# KiCad board st251_21020.kicad_pcb (continued)
## Footprints (pads in the part's own frame, mm; a bottom-side part is the same pattern mirrored in y, then rotated) (continued)
SOT95P230X117-3
  rect 0.9x0.8 smd: 1(-1,0.95) 2(-1,-0.95) 3(1,0)
SOT-23
  rrect 1.475x0.6 smd: 1(-0.938,0.95) 2(-0.938,-0.95) 3(0.938,0)
SOT-323_SC-70
  rect 0.7x0.45 smd: 1(-1,0.65) 2(-1,-0.65) 3(1,0)
TestPoint_THTPad_1.0x1.0mm_Drill0.5mm
  rect 1x1 hole 0.5: 1(0,0)
TestPoint_THTPad_2.0x2.0mm_Drill1.0mm
  rect 2x2 hole 1: 1(0,0)
TO-252-2
  rrect 2.2x1.2 smd: 1(-5.04,2.28) 3(-5.04,-2.28)
  rrect 3.05x2.75 smd: 2(-0.415,1.525) 2(-0.415,-1.525) 2(2.935,1.525) 2(2.935,-1.525)
  rrect 6.4x5.8 smd: 2(1.26,0)

## Nets
+5V: 1D1.14 1E1.14 1F1.14 2B1.30 2D1.16 2E1.14 2F1.14 3A1.24 3A1.42 4A1.24 4H1.5 6A1.29 6B1.20 6C1.20 7F1.11 10F1.20 10H1.20 11F1.20 C25.1 C26.1 C30.1 C32.1 C34.1 C38.2 C40.1 C45.1 C49.1 C50.1 C52.1 C53.1 C55.1 C57.1 C58.1 C65.1 C68.1 C70.1 C71.1 C72.1 CR1.2 CR2.1 DS1.2 J4.3 JP11.1 L1.2 L11.2 R5.2 R7.2 R10.2 R12.2 R13.2 R19.2 R34.2 R35.1 R42.2 R44.1 R46.1 R58.2 R59.2 R64.2 R70.2 R71.2 R73.2 R82.1 RN1.10
+5VP: 7C1.13 7C1.20 7E1.28 C28.1 C62.1 C74.1 CR4.3 R54.1
+12V: 7F1.12 8F1.6 C54.1 C64.1 C66.1 C73.1 CR5.2 D1.1 L2.2 Langle1.2 Q1.2 Q2.2 R61.1
+12VA: 6A1.44 10E1.10 C2.1 C15.1 C16.1 C29.1 Langle1.1 R1B1.1
GND: 1D1.7 1E1.7 1F1.7 2B1.13 2B1.27 2D1.8 2E1.7 2F1.7 2F1.12 3A1.44 4A1.12 4A1.18 4H1.0 4H1.2 4H1.7 4H1.14 6A1.5 6A1.28 6A1.30 6B1.1 6B1.10 6C1.10 7C1.10 7C1.19 7E1.1 7E1.17 7F1.13 8F1.13 10E1.11 10F1.4 10F1.5 10F1.6 10F1.7 10F1.14 10F1.15 10F1.16 10F1.17 10H1.1 10H1.4 10H1.5 10H1.6 10H1.7 10H1.14 10H1.15 10H1.16 10H1.17 11E1.11 11F1.4 11F1.5 11F1.6 11F1.7 11F1.14 11F1.15 11F1.16 11F1.17 C1.2 C2.2 C3.1 C4.2 C5.2 C6.2 C8.2 C9.2 C15.2 C16.2 C18.2 C19.2 C27.2 C28.2 C29.2 C30.2 C31.1 C32.2 C33.2 C40.2 C42.2 C43.2 C44.2 C45.2 C46.2 C47.2 C48.2 C49.2 C50.2 C51.2 C52.2 C53.2 C54.2 C55.2 C56.2 C57.2 C58.2 C60.1 C61.2 C62.2 C64.2 C65.2 C66.2 C68.2 C70.2 C71.2 C72.2 C73.2 C74.2 CR4.1 CR7.2 CR8.2 J1.1 J1.3 J1.5 J1.7 J1.9 J1.11 J1.13 J1.15 J1.17 J1.19 J1.21 J1.23 J1.25 J1.27 J1.29 J1.31 J1.33 J2.2 J2.4 J2.6 J2.8 J2.11 J2.12 J2.15 J2.16 J2.19 J2.20 J3.2 J3.3 J4.2 J6.3 J6.7 J6.11 J6.15 J6.19 J6.23 J7.9 J7.15 Q3.2 Q4.2 Q5.2 R3.2 R6.1 R26.1 R27.2 R32.2 R33.2 R33B1.1 R43.1 R45.1 R47.1 R48.1 R49.1 R50.1 R51.2 R53.2 R55.2 R57.1 R60.1 R72.1 R75.1 RN1.1 TP2.1
/Analog/+RD: 6A1.25 J2.17
/Analog/-RD: 6A1.26 J2.18
/Analog/COILU: 4H1.13 C39.1 C46.1 J4.8 Q5.3 Q5.4
/Analog/COILV: 4H1.12 C48.1 C69.1 J4.7 Q3.3 Q3.4
/Analog/COILW: 4H1.11 7F1.6 C47.1 C59.1 J4.5 Q4.3 Q4.4
/Analog/DRV_SEL: 1E1.8 2E1.13 J7.12 R13.1
/Analog/DS1: J1.26 J7.2
/Analog/DS2: J1.28 J7.4
/Analog/DS3: J1.30 J7.6
/Analog/DS4: J1.32 J7.8
/Analog/HDC1: 10E1.9 J6.1
/Analog/HDC2: 10E1.8 J6.5
/Analog/HDC3: 10E1.7 J6.9
/Analog/HDC4: 10E1.6 J6.13
/Analog/HDC5: 10E1.5 J6.17
/Analog/HDC6: 10E1.4 J6.21
/Analog/HDSEL1: 10E1.17 J1.14 RN1.7
/Analog/HDSEL2: 10E1.16 J1.18 RN1.4
/Analog/HDSEL4: J1.4 JP10.2 RN1.5
/Analog/HDSEL4B: 10E1.15 JP10.1 JP11.2
/Analog/HDSEL8: J1.2 RN1.9
/Analog/INDEX2: 2F1.3 4H1.9 C19.1 R46.2
/Analog/M_ENA: 7E1.26 11F1.11
/Analog/M_ENB: 7E1.24 10H1.11
/Analog/M_ENC: 7E1.22 10F1.1
/Analog/M_END: 7E1.20 11F1.1
/Analog/M_ENE: 7E1.18 10F1.11
/Analog/MOTA+: 7F1.15 11F1.13 R14.2 R67.1
/Analog/MOTA-: 7F1.14 11F1.18 CR8.1 J5.10 R15.2
/Analog/MOTB+: 10H1.13 R16.2 R81.1
/Analog/MOTB-: 10H1.18 J5.2 R17.2
/Analog/MOTC+: 10F1.3 R18.2 R67B1.1
/Analog/MOTC-: 10F1.8 J5.4 R20.2
/Analog/MOTD+: 7F1.3 11F1.3 R36.2 R68.1
/Analog/MOTD-: 7F1.2 11F1.8 J5.6 R37.2
/Analog/MOTE+: 7F1.1 10F1.13 R38.2 R68B1.1
/Analog/MOTE-: 7F1.16 10F1.18 J5.8 R39.2
/Analog/REC_MODE: J1.16 J2.7 J7.14 RN1.6
/Analog/RREF: 4H1.1 Q6.3 R50.2
/Analog/UHALL+: 4H1.15 C36.2 J4.1
/Analog/UHALL-: 4H1.16 C36.1 J4.13
/Analog/VHALL+: 4H1.19 C37.1 J4.10
/Analog/VHALL-: 4H1.20 C37.2 J4.12
/Analog/WHALL+: 4H1.17 C35.1 J4.9
/Analog/WHALL-: 4H1.18 C35.2 J4.11
/Analog/WRT_FAULT: 2E1.1 2E1.6 JP1.1
/Analog/~{WRT_GATE}: 6A1.37 C4.1 J1.6 RN1.8
/Digital/0101: 1D1.6 7C1.15
/Digital/A0: 2D1.1 3A1.5 4A1.8
/Digital/A1: 2D1.2 3A1.6 4A1.7
/Digital/A2: 2D1.3 3A1.7 4A1.6
/Digital/A3: 3A1.8 4A1.5
/Digital/A4: 4A1.4 6B1.19
/Digital/A5: 4A1.3 6B1.15
/Digital/A6: 4A1.2 6B1.16
/Digital/A7: 4A1.1 6B1.12
/Digital/A8: 4A1.23 6B1.2
/Digital/A9: 4A1.22 6B1.9
/Digital/A10: 4A1.19 6B1.6
/Digital/A11: 4A1.21 6B1.5
/Digital/D0: 3A1.20 4A1.9 6B1.18 6C1.18
/Digital/D1: 3A1.19 4A1.10 6B1.14 6C1.14
/Digital/D2: 3A1.18 4A1.11 6B1.17 6C1.17
/Digital/D3: 3A1.17 4A1.13 6B1.13 6C1.13
/Digital/D4: 3A1.16 4A1.14 6B1.3 6C1.3
/Digital/D5: 3A1.15 4A1.15 6B1.8 6C1.8
/Digital/D6: 3A1.14 4A1.16 6B1.7 6C1.7
/Digital/D7: 3A1.13 4A1.17 6B1.4 6C1.4
/Digital/DEBUG_PIN: 3A1.26 R33.1
/Digital/DIRECTION: 6C1.15 7C1.17
/Digital/EMS: 1D1.2 2E1.11
/Digital/MCU_INDEX: 2B1.42 3A1.33
/Digital/PA2: 2B1.39 3A1.31
/Digital/PHI2: 1D1.3 2D1.6 2E1.9 3A1.4 R80.2
/Digital/R/~{W}: 2D1.5 2E1.10 3A1.10
/Digital/~{0100}: 2D1.15 6C1.11
/Digital/~{0101}: 1D1.5 2D1.14
/Digital/~{0105}: 2D1.10 7C1.14
/Digital/~{0107}: 2B1.43 2D1.7
/Digital/~{EMS}: 1D1.1 2D1.4 3A1.12 6B1.11
/Digital/~{HALFSTEP}: 6C1.16 7C1.16
/Digital/~{LATCHED_DIR}: 2B1.41 3A1.40
/Digital/~{MCU_READY_OUT}: 2B1.6 3A1.32
/Digital/~{MCU_TRK0_OUT}: 2B1.5 3A1.41
/Digital/~{MCUSTEP}: 2B1.38 3A1.28
/Digital/~{RECOVERY_MODE}: 1D1.8 3A1.39
ALL_PHASES_ON: 6C1.5 7E1.15
CS_: 6C1.2 8F1.4
DC_UNSAFE: 2B1.31 6A1.40 JP2.1
DRVSEL_OUT: 2B1.9 J2.1
HALL: 2B1.34 2F1.2 2F1.6
INDEX_OUT: 2B1.12 J1.20
LIFE_TEST: 3A1.38 J7.10
MTA+: 7C1.1 7E1.5 11F1.12
MTA-: 7C1.2 7E1.6 11F1.19
MTB+: 7C1.4 7E1.7 10H1.12
MTB-: 7C1.5 7E1.8 10H1.19
MTC+: 7C1.6 7E1.9 10F1.2
MTC-: 7C1.7 7E1.10 10F1.9
MTD+: 7C1.8 7E1.11 11F1.2
MTD-: 7C1.9 7E1.12 11F1.9
MTE+: 7C1.11 7E1.13 10F1.12
MTE-: 7C1.12 7E1.14 10F1.19
READ_DATA: 2B1.36 6A1.24 R35.2
READY_OUT: 2B1.7 J1.22
RECOVERY_MODE: 1D1.9 J7.13
RING: 3A1.30 8F1.24
RIWR1: 6C1.9 10E1.2
RIWR2: 6C1.6 10E1.13
S1: 3A1.37 7E1.2
S2: 3A1.36 7E1.3
S3: 3A1.35 7E1.4
SEEK_COMP: 2B1.11 J1.8
SERIAL_CLOCK: 3A1.29 8F1.3
SERIAL_DATA: 3A1.27 8F1.2
SYS_CLOCK: 1D1.4 2B1.37 4H1.6 8F1.1
TRK0_OUT: 2B1.8 J1.10
VAA: 10F1.10 10H1.10 11F1.10 C42.1 C56.1 C61.1 C63.1 CR1.1 CR7.1 Q2.3 R52.1 R62.2 R63.1
WRT_OK: 2B1.44 6A1.15
WRTFLT_OUT: 2B1.10 J1.12
~{0106}: 1F1.3 2D1.9
~{DIR}: 2B1.32 J1.34 RN1.2
~{DRV_SEL}: 1E1.9 1E1.10 2B1.4 6A1.21 J7.16 R10.1
~{INDEX_SYNC}: 2B1.40 2F1.4 4H1.8 6C1.19
~{RESET}: 1F1.1 2B1.35 3A1.21 6C1.1 JP4.1 R40.1
~{RETRACT}: 7C1.3 7F1.9
~{STEP}: 2B1.33 J1.24 RN1.3
~{WRT_FAULT}: 1E1.4 2B1.3 R19.1
Net-(1D1-Pad12): 1D1.12 1E1.5 1E1.11
Net-(1E1-Pad1): 1E1.1 1E1.12 R59.1
Net-(1E1-Pad6): 1E1.6 R78.2
Net-(1F1A-D): 1F1.2 1F1.6 R74.2
Net-(1F1A-~{S}): 1F1.4 R73.1
Net-(1F1B-C): 1F1.11 J7.11 R70.1
Net-(1F1B-D): 1F1.12 R71.1
Net-(1F1B-~{Q}): 1F1.8 JP1.3
Net-(1F1B-~{R}): 1F1.13 2E1.12
Net-(1F1B-~{S}): 1E1.2 1F1.10 R58.1
Net-(2B1-BIAS): 2B1.2 R45.2
Net-(2E1-Pad2): 2E1.2 2E1.3 R12.1
Net-(2E1-Pad5): 2E1.5 C5.1 R8.1
Net-(2F1A-~{R}): 2F1.1 R42.1
Net-(3A1-PB7): 3A1.34 TP4.1
Net-(3A1-XTLI): 3A1.3 Y2.1
Net-(3A1-XTLO): 3A1.2 C31.2 R80.1 R82.2 Y2.2
Net-(3A1-~{NMI}): 3A1.25 R44.2
Net-(4A1-~{G}VPP): 2E1.8 4A1.20
Net-(4H1-12V): 4H1.4 4H1.10 7F1.5 C33.1 C44.1 CR5.1 CR6.2 R54.2
Net-(4H1-RC): 4H1.3 C17.1 C18.1
Net-(6A1A-VCTAP): 6A1.43 R9.1
Net-(6A1A-WDATA_IN+): 6A1.22 J2.13 R4.2
Net-(6A1A-WDATA_IN-): 6A1.23 J2.14 R4.1
Net-(6A1A-WRITE_CUR): 6A1.16 TP8.2
Net-(6A1A-~{WRT_FAULT}): 6A1.39 R8.2
Net-(6A1B-+ON): 6A1.4 R25.1
Net-(6A1B--ON): 6A1.3 L8.1
Net-(6A1B-DI+): 6A1.1 C14.1 L6.2 R24.1 TP1.1
Net-(6A1B-DI-): 6A1.2 C14.2 L7.2 R24.2 TP3.1
Net-(6A1B-DO+): 6A1.8 C21.1 C22.1 R26.2
Net-(6A1B-DO-): 6A1.9 C24.1 R27.1 R28.2
Net-(6A1C-+C1): 6A1.10 C22.2 C23.1 R30.1 R87.1
Net-(6A1C-+C2): 6A1.12 C67.1 L10.1 R87.2
Net-(6A1C--C1): 6A1.11 C23.2 R29.1
Net-(6A1C--C2): 6A1.13 R30.2 R31.1
Net-(6A1C-OA): 6A1.31 R34.1
Net-(6A1C-TMG1): 6A1.35 C34.2 R51.1
Net-(6A1C-TMG2): 6A1.34 C38.1 R53.1
Net-(6A1C-TMG3): 6A1.33 C25.2 R32.1
Net-(6A1C-TMG4): 6A1.32 C26.2 R33B1.2
Net-(6C1-Q4): 6C1.12 7C1.18
Net-(7E1-~{DIS}): 7E1.16 R40.2
Net-(7F1-CT): 7F1.8 C43.1
Net-(7F1-DRV): 7F1.7 R66.1
Net-(7F1-VC): 7F1.4 CR6.1
Net-(7F1-VREF): 7F1.10 R41.2
Net-(8F1-+A): 8F1.18 R14.1
Net-(8F1-+B): 8F1.17 R16.1
Net-(8F1-+C): 8F1.16 R18.1
Net-(8F1-+D): 8F1.15 R36.1
Net-(8F1-+E): 8F1.14 R38.1
Net-(8F1--A): 8F1.23 R15.1
Net-(8F1--B): 8F1.22 R17.1
Net-(8F1--C): 8F1.21 R20.1
Net-(8F1--D): 8F1.20 R37.1
Net-(8F1--E): 8F1.19 R39.1
Net-(8F1-COMP): 8F1.10 C41.1
Net-(8F1-DAC_SET): 8F1.8 R57.2
Net-(8F1-DRV): 8F1.9 R79.2
Net-(8F1-FB): 8F1.11 R52.2 R60.2
Net-(8F1-NC): 8F1.5 JP4.2
Net-(8F1-RING_SET): 8F1.12 C60.2 R55.1 R56.1
Net-(8F1-VREF): 8F1.7 R41.1 R56.2
Net-(10E1-5V): 10E1.18 C1.1 L11.1
Net-(10E1-IWR1): 10E1.19 R2.1
Net-(10E1-IWR2): 10E1.14 R1.1
Net-(10E1-VCTAP): 10E1.1 C3.2 R9.2
Net-(10E1-VHS): 6A1.42 10E1.20
Net-(10E1-WRT_FAULT_IN): 1E1.3 10E1.12 JP1.2
Net-(11E1-12V): 11E1.12 C8.1 C9.1 R1B1.2
Net-(11E1-DI+): 6A1.19 11E1.8 C10.1 R21.1 TP6.1
Net-(11E1-DI-): 6A1.20 11E1.7 C10.2 R21.2 TP5.1
Net-(11E1-DO+): 11E1.10 C11.1
Net-(11E1-DO-): 11E1.9 C12.1
Net-(11E1-GAIN+): 11E1.6 C7.1
Net-(11E1-GAIN-): 11E1.5 C7.2
Net-(11E1-HD1+): 11E1.14 J6.4
Net-(11E1-HD1-): 11E1.13 J6.2
Net-(11E1-HD2+): 11E1.16 J6.8
Net-(11E1-HD2-): 11E1.15 J6.6
Net-(11E1-HD3+): 11E1.18 J6.12
Net-(11E1-HD3-): 11E1.17 J6.10
Net-(11E1-HD4+): 11E1.20 J6.16
Net-(11E1-HD4-): 11E1.19 J6.14
Net-(11E1-HD6+): 11E1.1 J6.24
Net-(11E1-HD6-): 11E1.2 J6.22
Net-(C6-Pad1): C6.1 R11.2 R78.1
Net-(C11-Pad2): C11.2 R22.2
Net-(C12-Pad2): C12.2 R23.2
Net-(C13-Pad1): C13.1 L4.2 L6.1
Net-(C13-Pad2): C13.2 L5.2 L7.1
Net-(C17-Pad2): C17.2 R49.2
Net-(C20-Pad1): C20.1 R25.2
Net-(C20-Pad2): C20.2 L8.2
Net-(C21-Pad2): C21.2 R28.1
Net-(C24-Pad2): C24.2 C67.2 L9.2 L10.2 R31.2
Net-(C27-Pad1): C27.1 R65.2 R69.1
Net-(C39-Pad2): C39.2 R43.2
Net-(C41-Pad2): C41.2 R63.2
Net-(C59-Pad2): C59.2 R47.2
Net-(C63-Pad2): C63.2 R72.2
Net-(C69-Pad2): C69.2 R48.2
Net-(CR2-A): 1E1.13 C51.1 CR2.2 R64.1
Net-(D1-K): D1.3 R69.2
Net-(DS1-K): DS1.1 R11.1
Net-(J3-Pin_1): J3.1 L2.1
Net-(J3-Pin_4): J3.4 L1.1
Net-(J5-Pin_1): J5.1 R68.2
Net-(J5-Pin_3): J5.3 R68B1.2
Net-(J5-Pin_5): J5.5 R67.2
Net-(J5-Pin_7): J5.7 R81.2
Net-(J5-Pin_9): J5.9 R67B1.2
Net-(J6-Pin_18): 11E1.4 J6.18
Net-(J6-Pin_20): 11E1.3 J6.20
Net-(J7-Pin_1): 1D1.13 J7.1 J7.3 J7.5 J7.7 R6.2 R7.1
Net-(JP2-B): 2E1.4 JP2.2 R5.1
Net-(L4-Pad1): L4.1 R22.1
Net-(L5-Pad1): L5.1 R23.1
Net-(L9-Pad1): L9.1 R29.2
Net-(Q1-B): Q1.1 R61.2 R79.1
Net-(Q1-C): Q1.3 Q2.1 R62.1
Net-(Q3-G): Q3.1 Q4.1 Q5.1 R65.1 R66.2
Net-(Q6-B): Q6.1 R74.1
Net-(Q6-E): Q6.2 R75.2
Net-(TP8-A): R1.2 R2.2 R3.1 TP8.1

Pads without a net: 1D1 10 11; 1F1 5 9; 2B1 1 14 15 16 17 18 19 20 21 22 23 24 25 26 28 29; 2D1 11 12 13; 2F1 5 8 9 10 11 13; 3A1 1 9 11 22 23 43; 4H1 21; 6A1 6 7 14 17 18 27 36 38 41; 7E1 19 21 23 25 27; 10E1 3; 10H1 2 3 8 9; CR4 2; D1 2; J2 3 5 9 10; J4 4 6 14

## Via types
v1: diameter 0.889, hole 0.381, Top to Bottom, 600 vias
v2: diameter 1.27, hole 0.508, Top to Bottom, 1 via

## Routing (per net, layer and track width the routed paths; a pad name or vN(x,y) marks a point on that pad's centre or on a via; arc(x,y) is an arc through that point)
+5V: length 896.6
  Top w0.508: C57.1 107.89,191.33 107.57,191.01 106.43,191.01 v1(106.17,190.75) 105.54,190.12 105.54,186.94 107.06,185.42 11F1.20 ; R46.1 100.01,36.38 v1(101.85,34.54) ; v1(24.89,112.9) 24.89,111.12 22.35,108.59 v1(18.16,108.59) 17.78,108.2 9.52,108.2 8.48,109.25 C30.1 8.51,110.52 8.51,112.52 ; CR2.1 80.26,27.81 80.14,27.69 2E1.14 ; 110.87,175.01 110.87,174.37 109.47,172.97 105.41,172.97 104.22,171.78 C55.1 104.22,170.47 101.77,168.02 10F1.20 ; 110.87,175.01 116.97,175.01 118.62,173.36 126.49,173.36 127.25,172.59 127.25,171.45 125.73,169.93 ; 110.87,175.01 110.87,183.26 113.16,185.55 DS1.2 ; 3A1.42 24.51,46.99 23.24,48.26 22.23,48.26 20.95,46.99 14.6,46.99 12.06,49.53 3A1.24 7.37,49.53 v1(7.37,49.53) ; 125.73,169.93 120.4,169.93 119.13,171.2 10H1.20 ; 125.73,169.93 125.73,166.44 C58.1 125.79,166.5 v1(127.38,166.5) ; 6A1.29 8.51,112.52 ; 8.51,112.52 8,112.52 v1(7.49,112.01) ; 49.47,104.08 49.15,103.76 46.81,103.76 6B1.20 46.55,101.8 ; 108.08,96.27 107.7,96.65 107.7,108.33 111.51,112.14 v1(111.89,112.14) v1(111.89,113.41) 111.89,114.94 107.95,118.87 97.16,118.87 96.65,119.38 94.49,119.38 v1(93.47,120.4) ; R42.2 103.76,28.64 103.76,24.83 R73.2 ; v1(66.17,25.53) 2D1.16 ; v1(133.35,125.86) 130.17,125.86 129.86,125.54 CR1.2 ; v1(32.38,37.47) 31.75,37.47 30.86,38.35 2B1.30 27.56,38.35 27.05,37.85 27.05,37.21 ; 99.82,16.89 99.82,14.22 ; 110.49,92.46 4H1.5 ; 1E1.14 78.23,15.11 79.63,13.72 v1(79.63,13.08) 78.74,13.97 74.93,13.97 73.91,12.95 70.61,12.95 67.82,15.75 v1(67.82,16.13) 67.06,16.89 1D1.14 ; 7F1.11 v1(90.55,127.38)
  Top w0.762: 99.82,27.69 101.35,27.69 v1(101.47,27.56) 101.47,28.7 101.53,28.76 R42.2 ; v1(17.91,101.35) 19.3,99.95 v1(19.3,94.87) ; v1(127,36.45) v1(128.52,37.97)
  Top w1.016: 45.72,100.97 43.82,100.97 40.64,97.79 27.94,97.79 25.65,95.5 ; 45.72,100.97 v1(46.48,101.73) ; 45.72,100.97 46.35,100.97 49.91,104.52 v1(51.56,104.52) ; v1(46.48,101.73) 46.55,101.8 ; v1(46.48,101.73) v1(46.48,100.33) ; 121.28,24.64 v1(122.17,24.64) 121.41,24.26 ; 121.28,24.64 121.41,24.77 121.41,30.86 v1(127,36.45) ; 121.28,24.64 v1(120.78,24.64) ; v1(17.91,61.34) 16.76,62.48 9.14,62.48 6.6,59.94 6.6,54.48 7.37,53.72 v1(7.37,49.53) 7.37,48.64 5.71,46.99 5.71,43.18 v2(8.38,40.51) 12.7,36.2 22.48,36.2 24.38,34.29 v1(24.38,33.66) 26.03,33.66 27.05,34.67 27.05,37.21 ; v1(79.63,13.08) 79.76,13.21 95.76,13.21 96.27,13.72 99.31,13.72 99.82,14.22 100.46,14.22 v1(103.12,16.89)
  Top w1.27: v1(19.3,94.87) 18.03,93.6 18.03,85.85 v1(21.08,82.8)
  Bottom w0.508: 24.26,113.28 24.38,113.41 26.8,113.41 C71.1 ; 24.26,113.28 24.26,113.67 22.99,114.94 21.27,114.94 R34.2 ; 24.26,113.28 24.51,113.28 v1(24.89,112.9) ; v1(111.89,112.14) 112.14,112.4 113.16,112.4 112.14,113.41 v1(111.89,113.41) ; R35.1 33.78,34.35 33.78,37.47 ; C49.1 9.65,50.93 9.14,50.42 8.25,50.42 v1(7.37,49.53) ; v1(51.56,104.52) 51.24,104.2 JP11.1 ; 101.98,196.6 102.23,196.6 102.23,193.93 96.9,188.6 96.9,179.45 93.34,175.9 86.49,175.9 84.33,173.74 84.33,169.8 82.98,168.45 82.98,168.28 ; v1(17.91,101.35) 16.32,101.35 C26.1 C25.1 17.14,109.6 v1(18.16,108.59) 16.64,107.06 C34.1 ; R13.2 66.26,13.62 C52.1 66.17,18.89 v1(66.17,25.53) ; C50.1 15.83,56.59 16,56.77 ; 4H1.5 108.84,92.58 108.08,93.34 v1(108.08,96.65) ; 33.78,37.47 33.78,38.29 R82.1 ; 33.78,37.47 v1(32.38,37.47) ; C70.1 25.81,24.61 24.38,26.04 v1(24.38,33.66) ; C32.1 11.13,114.76 9.52,113.16 8.64,113.16 v1(7.49,112.01) ; v1(90.55,127.38) v1(90.55,126.24) ; v1(106.17,190.75) 106.17,196.6 ; v1(127.38,166.5) 130.68,166.5
  Bottom w0.762: v1(79.63,13.08) 79.63,13.59 78.42,14.79 78.42,15.62 78.49,15.68 78.49,18.99 R19.2 78.42,19.3 R59.2 78.42,27.94 R12.2 ; R12.2 81.15,28.19 CR2.1 ; R12.2 78.23,28.26 78.23,31.62 R5.2 79.82,33.47 R58.2 ; v2(8.38,40.51) 8.51,40.51 10.04,42.04 R44.1 ; 16,56.77 17.53,58.29 ; v1(89.79,13.08) 91.12,13.08 R71.2 R70.2
  Bottom w1.016: v1(90.55,126.24) 92.58,124.21 92.58,121.03 93.22,120.4 v1(93.47,120.4) ; 17.53,58.29 17.91,58.67 v1(17.91,61.34) ; 63.37,105.41 63.37,93.98 64.39,92.96 75.18,92.96 84.33,83.82 84.33,60.58 ; 128.4,38.48 128.4,38.1 v1(128.52,37.97) v1(127,36.45) ; R7.2 v1(67.82,16.13)
  Bottom w1.27: 113.16,112.4 118.87,112.4 118.87,111.51 ; 118.87,111.51 130.94,111.51 133.73,114.3 133.73,131.19 132.21,132.72 132.21,141.86 130.68,143.38 130.68,166.5 132.46,168.28 132.46,177.67 135.38,180.59 135.38,195.2 132.97,197.61 130.17,197.61 129.16,196.6 101.98,196.6 ; 118.87,111.51 118.87,65.41 121.79,62.48 121.79,55.12 ; 129.16,39.12 128.4,38.48 130.3,40.26 130.3,44.96 129.29,45.97 125.6,45.97 ; 125.6,45.97 123.44,45.97 121.79,47.62 121.79,55.12 ; 125.6,45.97 J4.3 ; C53.1 121.67,54.99 121.79,55.12 ; 43.1,111.51 43.1,110.06 44.96,108.2 46.35,108.2 47.75,106.81 47.75,103 v1(46.48,101.73) v1(46.48,100.33) ; v1(21.08,82.8) 21.08,79.38 22.99,77.47 22.99,66.42 v1(17.91,61.34)
  vias: v1(63.5,105.54) v1(63.5,104.14) v1(120.78,23.37) v1(122.17,23.37)
+5VP: length 131.4
  Top w0.254: C74.1 49.25,122.68 52.71,122.68 ; 52.71,122.68 53.34,122.68 54.74,121.29 63.37,121.29 v1(63.5,121.16) ; 52.71,122.68 52.71,124.46
  Top w0.508: v1(59.94,98.68) 60.96,99.7 66.93,99.7 67.56,100.33 v1(69.34,100.33) ; v1(72.01,122.94) 72.01,145.16 72.64,145.8 73.66,145.8 75.44,144.02 C28.1 75.44,140.79 7E1.28 ; R54.1 85.85,111.95 85.85,109.93 CR4.3 85.85,109.01 85.85,105.79 83.47,105.79 ; 83.47,105.79 83.47,104.17 82.68,103.38 v1(82.68,100.08) ; 83.47,105.79 C62.1 ; v1(63.5,121.16) 61.6,123.06 61.6,124.46
  Bottom w0.508: v1(69.34,100.33) 78.74,100.33 78.99,100.08 v1(82.68,100.08) ; v1(72.01,122.94) 71.75,122.68 65.02,122.68 v1(63.5,121.16) 62.74,120.4 62.74,111.51 60.45,109.22 60.45,102.11 59.82,101.47 59.82,98.81 v1(59.94,98.68)
+12V: length 343.5
  Top w0.508: Q1.2 127.32,134.94 126.36,135.89 125.22,135.89 122.98,138.13 Q2.2 ; v1(85.85,143.89) 84.71,145.03 8F1.6 ; v1(101.09,127.76) v1(103,127.76)
  Top w0.762: v1(114.43,132.59) 114.43,132.97 118.05,136.6 118.11,136.6 ; v1(123.32,119.38) 122.55,120.14 118.49,120.14 116.97,121.67 116.97,127.25 117.86,128.14 CR5.2 ; v1(92.84,114.94) 94.36,114.94 95.5,116.08 96.9,116.08 98.68,117.86 107.06,117.86 109.35,115.57 v1(109.35,114.43) v1(109.35,112.01) ; 7F1.12 93.73,128.65 94.62,127.76 v1(101.09,127.76) ; v1(88.01,99.19) 88.65,99.82 v1(88.65,104.52)
  Bottom w0.508: v1(103,127.76) 102.79,127.56 C54.1 ; v1(85.85,143.89) 85.85,141.35 84.58,140.08 84.58,133.35 79.5,128.27 v1(79.5,111.51)
  Bottom w0.762: Langle1.2 42.37,117.42 41.53,116.59 36.96,116.59 35.18,114.81 35.18,88.77 v1(35.05,88.65) v1(35.05,87.38) ; 123.06,119.13 v1(123.32,119.38) 124.71,120.77 R61.1 ; v1(101.09,127.76) v1(103,127.76) 102.23,128.52 101.85,128.52 ; v1(109.35,112.01) v1(109.35,114.43) 110.62,115.7 114.94,115.7 116.33,117.09 116.33,119.13 ; C73.1 85.42,93.3 85.85,93.73 90.42,93.73 91.82,95.12
  Bottom w1.27: v1(83.31,110.87) 83.31,106.43 85.22,104.52 v1(88.65,104.52) 89.03,104.52 92.84,108.33 v1(92.84,114.94) ; v1(103,127.76) 103,129.29 105.92,132.21 114.05,132.21 v1(114.43,132.59) 114.43,128.4 116.33,126.49 116.33,119.13 123.06,119.13
  Bottom w2.286: 85.47,98.3 88.65,98.3 93.47,93.47 93.47,57.02 99.82,50.67 99.82,50.55 102.62,47.75 102.62,37.21 112.78,27.05 123.19,27.05 128.9,21.34 L2.2
  vias: v1(69.47,97.79)
+12VA: length 103.7
  Top w0.254: 6A1.44 24.38,120.52 v1(24.89,121.03)
  Top w0.508: C29.1 28.27,119.3 27.94,119.63 26.29,119.63 v1(24.89,121.03) ; v1(62.61,152.78) 62.61,153.8 63.12,154.31 10E1.10 64.64,154.31 67.56,157.23 67.56,159.51 68.58,160.53 68.58,165.48 v1(71.12,168.02)
  Top w0.762: v1(43.31,122.94) 43.31,122.43 42.8,121.92 40.39,121.92 39.75,121.29 37.21,121.29 35.94,122.56 v1(35.43,122.56)
  Bottom w0.254: v1(35.43,122.56) 34.04,122.56 32,120.52 32,118.57 31.04,117.6 28.57,117.6 27.24,118.93 27.24,119.51 26.67,119.51 25.15,121.03 v1(24.89,121.03)
  Bottom w0.508: R1B1.1 74.23,168.46 73.79,168.02 v1(71.12,168.02) ; C2.1 64.52,154.69 v1(62.61,152.78)
  Bottom w0.762: v1(62.61,152.78) 62.36,152.53 62.36,148.72 51.18,137.54 51.18,128.52 46.48,123.83 44.2,123.83 v1(43.31,122.94) 43.31,119.94 Langle1.1
GND: length 502.1
  Top w0.254: v1(70.61,170.69) 70.61,171.7 71.25,172.34 71.25,176.02 71.37,176.14 71.37,179.71 71.25,179.83 ; v1(69.09,21.72) 69.26,21.89 1E1.7 ; J7.9 46.61,17.02 47.88,15.75 51.56,15.75 52.83,17.02 J7.15
  Top w0.508: 11F1.6 100.46,179.07 100.97,179.58 100.97,180.34 ; 11F1.6 11F1.5 100.97,180.34 ; 11F1.6 11F1.7 96.27,177.8 93.09,174.62 93.09,166.5 ; 2D1.8 57.28,34.29 ; 66.42,116.97 65.02,118.36 65.02,121.54 62.74,123.83 62.74,125.24 62.06,125.92 60.77,125.92 60.32,125.48 60.32,124.46 ; 100.97,180.34 100.97,181.61 11F1.4 ; 101.09,161.67 101.09,162.94 100.97,162.94 ; 101.09,161.67 10F1.15 ; 101.09,161.67 100.58,161.16 100.58,160.66 100.33,160.4 10F1.14 ; 95.38,164.21 95.38,162.94 ; 95.38,164.21 95.38,168.4 96.27,169.29 96.27,172.72 97.92,172.72 ; 95.38,164.21 10F1.17 101.09,164.21 101.09,163.07 100.97,162.94 ; 95.38,162.94 10F1.16 100.97,162.94 ; 95.38,162.94 95.38,159.64 ; 91.57,162.94 91.44,163.07 91.44,164.21 10F1.4 ; 91.57,162.94 10F1.5 ; 91.57,162.94 91.57,161.67 ; J4.2 127.76,40.89 126.24,39.37 125.98,39.37 ; C29.2 29.46,113.49 v1(29.46,110.36) ; 4H1.7 116.46,90.04 116.59,90.17 ; 3A1.44 27.43,49.53 v1(27.69,49.78) ; v1(70.61,170.69) 70.61,169.93 71.37,169.16 11E1.11 ; 97.92,172.72 101.35,172.72 101.27,172.64 C55.2 C56.2 97.92,171.12 97.92,172.72 ; C19.2 94.11,49.78 ; 43.43,35.43 44.32,34.54 2B1.13 ; C46.2 104.78,37.59 ; C46.2 104.69,40.34 C47.2 102.23,45.47 ; C46.2 102.23,40.26 ; 10E1.11 75.06,154.31 75.18,154.43 v1(75.18,157.73) 76.45,157.73 v1(76.45,159.13) 78.1,159.13 ; 6A1.28 8.13,115.44 8.51,115.82 9.78,115.82 6A1.30 9.78,112.27 11.05,112.27 11.43,111.89 C30.2 ; v1(22.35,39.62) 22.99,40.26 27.56,40.26 28.19,40.89 28.83,40.89 29.84,41.91 29.84,42.67 30.99,43.82 33.4,43.82 32.38,42.8 2B1.27 ; 10F1.7 91.57,160.4 91.57,161.67 ; 91.57,161.67 10F1.6 ; C48.2 102.23,42.8 ; 8F1.13 v1(93.22,137.41) ; 4H1.14 115.44,81.15
  Top w0.762: 23.11,114.17 28.37,114.17 C29.2 ; 113.16,96.39 117.22,96.39
  Top w1.016: v1(9.14,11.18) 8.76,10.8 J2.15 ; v1(4.7,10.54) 3.68,9.53 J2.19 ; J2.11 v1(13.84,11.18) ; 27.3,80.14 27.18,80.26 23.37,80.26
  Top w1.27: v1(17.91,67.69) 17.78,67.56 4A1.12
  Bottom w0.254: 71.25,184.53 J6.19 ; 71.25,184.53 76.33,184.53 ; 71.25,184.53 66.17,184.53 ; 86.49,184.53 91.57,184.53 ; 86.49,184.53 J6.7 ; 86.49,184.53 81.41,184.53 ; 91.57,184.53 J6.3 ; 91.57,184.53 92.84,184.53 ; J6.23 66.17,184.53 ; 66.17,184.53 64.77,184.53 ; 80.13,184.54 80.13,187.2 ; 4H1.7 115.06,90.04 ; 129.54,131.83 129.54,130.43 130.43,129.54 130.43,122.56 124.84,116.97 CR7.2 ; 76.33,184.53 J6.15 ; 76.33,184.53 81.41,184.53 ; 90.3,184.53 90.3,187.2 ; 81.41,184.53 J6.11 ; 92.84,184.53 95.63,184.53 ; 92.84,184.53 92.84,187.2 ; 69.98,184.53 69.98,187.2 ; v1(66.55,152.53) 68.53,154.51 C2.2 ; 85.22,184.53 85.22,187.2 ; 72.52,184.53 72.52,187.2 ; 82.68,184.53 82.68,187.2 ; C52.2 69.22,19.18 ; 67.44,184.53 67.44,187.2 ; v1(69.09,21.72) 69.22,21.59 ; 87.76,184.53 87.76,187.2 ; 75.06,184.53 75.06,187.2 ; 77.6,184.53 77.6,187.2
  Bottom w0.508: 12.88,51.69 C50.2 12.24,53.85 ; 12.88,51.69 v1(14.73,51.69) ; 12.88,51.69 12.65,51.46 C49.2 12.88,51.15 12.88,51.69 ; Q5.2 108.08,114.16 108.08,111.25 107.95,111.12 ; R33B1.1 R51.2 R32.2 6.35,111.06 6.35,113.79 v1(6.6,114.05) 7.87,115.32 C32.2 ; J4.2 125.48,39.24 ; v1(48.39,119.63) v1(48.39,113.03) 46.86,111.51 C72.2 ; C16.2 34.88,118.75 v1(38.23,118.75) ; R43.1 100.2,69.66 100.2,64.83 R48.1 100.2,63.95 100.2,59.88 R47.1 100.46,59.25 100.46,57.02 v1(100.84,56.64) ; 4.57,49.78 v1(4.45,49.66) ; C31.1 37.59,44.07 ; v1(105.16,128.4) 105.16,125.05 C54.2 105.87,124.33 107.31,124.33 107.57,124.59 R60.1 ; v1(68.71,32.39) 71.37,29.72 71.37,20.96 C52.2 69.22,21.59 ; R57.1 93.6,139.58 93.6,137.8 v1(93.22,137.41) 92.96,137.41 90.93,135.38 90.93,134.37 92.89,132.41 C60.1 92.89,131.02 94.87,129.03 v1(95.76,129.03) 96.52,128.27 96.52,124.46 v1(96.39,124.33) ; R27.2 13.14,132.08 9.97,132.08 R26.1 8.38,133.67 v1(8.38,133.73) ; C71.2 29.46,113.16 v1(29.46,110.36) ; 36.83,38.35 36.78,38.31 C68.2
  Bottom w0.762: C73.2 82.47,90.63 v1(80.77,92.33) ; v1(57.02,22.73) 57.91,21.84 60.39,21.84 R6.1 ; v1(43.94,19.56) v1(44.96,19.56) 44.96,19.18 45.85,18.29 J7.9
  Bottom w1.016: v1(9.14,11.18) 8.76,10.8 J2.15 ; J2.19 3.68,9.53 v1(4.7,10.54) ; v1(4.45,49.66) 4.95,49.66 7.75,52.45 7.75,52.96 8.64,53.85 12.24,53.85 ; v1(53.72,45.47) 53.47,45.72 53.47,55.88 RN1.1 ; J2.11 v1(13.84,11.18)
  vias: v1(4.83,22.23) v1(6.48,20.57) v1(15.62,11.05) v1(16,99.44) v1(17.65,11.05) v1(22.99,13.59) v1(24.26,13.59) v1(34.54,23.11) v1(37.85,63.5) v1(37.85,61.98) v1(39.5,63.5) v1(39.5,61.98) v1(43.05,38.1) v1(44.96,44.2) v1(60.45,186.94) v1(60.45,185.8) v1(63.63,87.25) v1(63.63,85.98) v1(63.63,84.71) v1(65.15,88.27) v1(66.55,89.15) v1(68.33,90.04) v1(69.98,89.28) v1(71.5,88.39) v1(73.15,87.38) v1(73.15,86.11) v1(73.15,84.84) v1(76.07,103.89) v1(82.42,175.01) v1(82.42,173.74) v1(88.14,112.14) v1(89.79,110.62) v1(90.93,121.67) v1(97.41,71.76) v1(97.41,70.61) v1(97.41,59.18) v1(97.41,57.91) v1(98.04,83.31) v1(98.04,82.04) v1(103.38,11.18) v1(106.55,80.26) v1(113.16,100.2) v1(114.43,60.07) v1(114.43,58.17) v1(116.33,60.07) v1(116.33,58.17) v1(133.48,38.23)
/Analog/+RD: length 127.2
  Top w0.254: v1(6.48,10.16) 6.22,9.91 J2.17 ; 6A1.25 3.3,119.25 v1(3.17,119.38)
  Bottom w0.254: v1(6.48,10.16) 6.73,10.41 6.73,12.32 9.02,14.61 9.02,24.89 10.54,26.42 10.54,34.16 4.57,40.13 4.57,45.21 2.67,47.12 2.67,50.17 5.84,53.34 5.84,61.85 7.11,63.12 7.11,96.52 3.94,99.7 3.94,103.89 2.54,105.28 2.54,118.75 v1(3.17,119.38)
/Analog/-RD: length 125.9
  Top w0.254: 6.86,117.98 4.19,117.98 v1(3.68,117.48)
  Bottom w0.254: J2.18 6.22,8.38 7.75,9.91 7.75,12.07 9.65,13.97 9.65,24.26 11.18,25.78 11.18,34.54 5.21,40.51 5.21,45.85 3.3,47.75 3.3,49.78 6.48,52.96 6.48,61.59 7.75,62.87 7.75,96.9 6.48,98.17 6.48,104.01 5.97,104.52 4.76,104.52 3.17,106.11 3.17,116.97 v1(3.68,117.48)
/Analog/COILU: length 127.2
  Top w0.254: 94.62,112.78 93.92,112.08 C39.1 94.17,112.78 99.05,112.78 Q5.4 ; 4H1.13 107.95,82.42 107.19,83.19 107.19,85.98 104.9,88.27 v1(100.71,88.27)
  Top w0.508: C46.1 107.47,37.94 107.57,37.85 v1(108.71,37.85)
  Bottom w0.508: J4.8 120.52,39.12 119.25,37.85 v1(108.71,37.85) 106.04,40.51 106.04,61.21 105.41,61.85 102.87,61.85 102.11,62.61 102.11,86.61 100.71,88.01 v1(100.71,88.27) 100.2,88.27 96.65,91.82 96.65,94.87 93.47,98.04 93.47,106.24 99.18,111.94 Q5.4 Q5.3
